# Altium PCB V5_BASE_V17.PcbDoc (part 2 of 2) (continued)
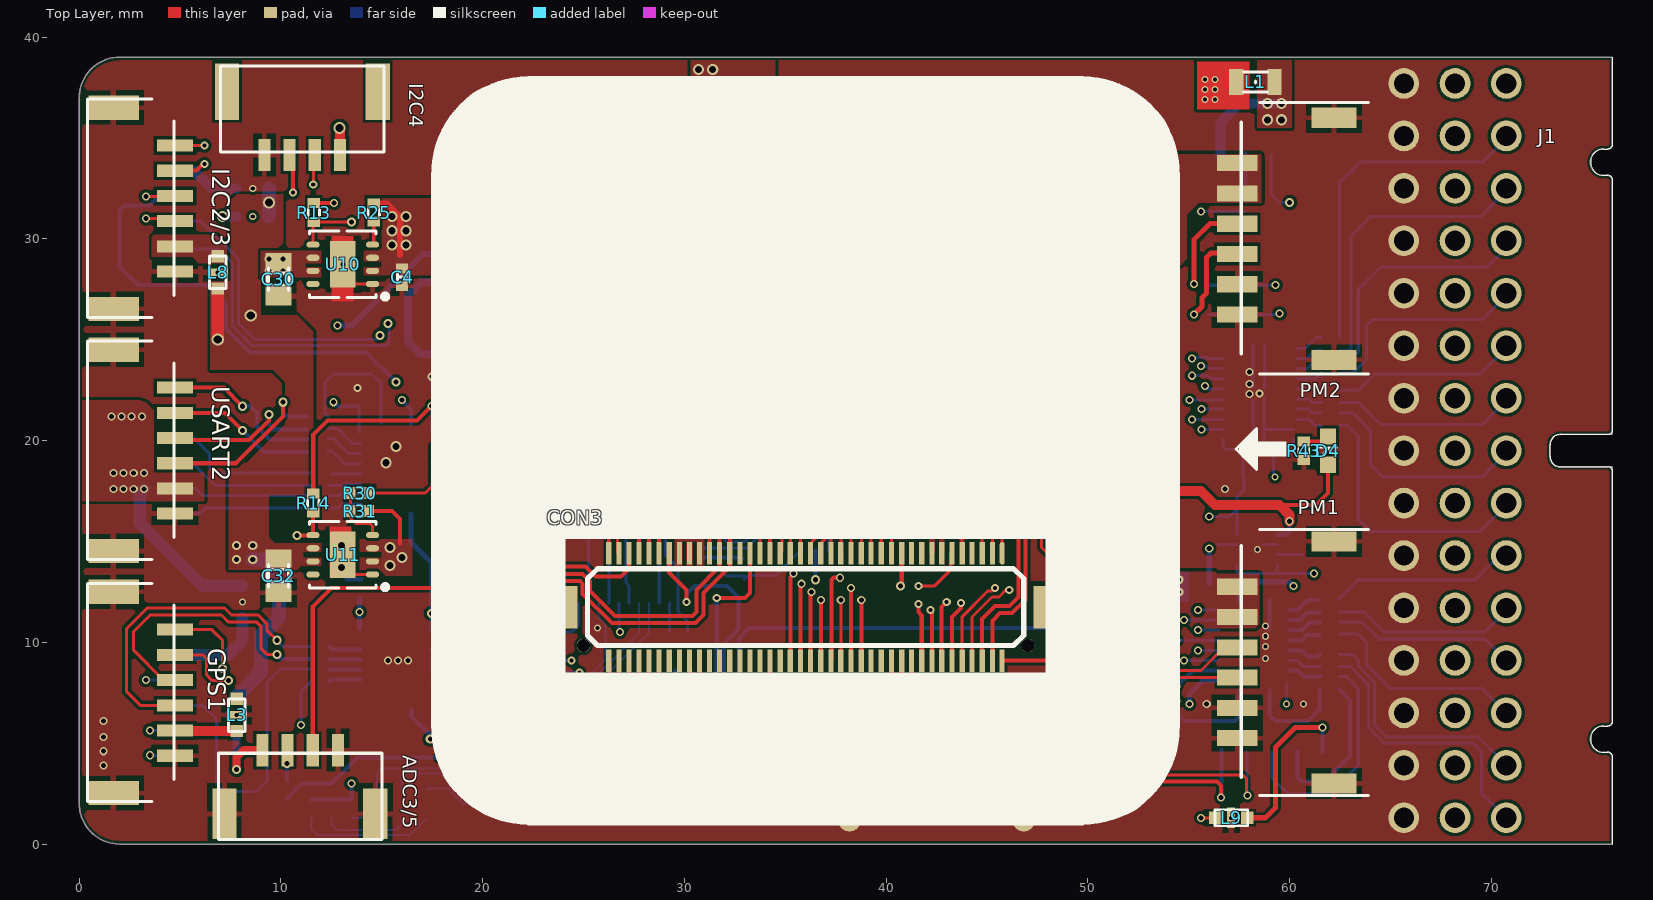
[diagram p0: Top Layer view]
## Nets (pads, with @x,y where several pads share a name; then routed paths per layer and width w, separated by ;. In a path a pad name is that pad's centre, name@x,y a point inside that pad or via, vN(x,y) a via of type N, cw(c..) or ccw(c..) an arc to the next point about the centre after c; other vN are vias at no path point) (continued)
SERVO_VS: C9.1 U2.1 U2.3 U3.16 | length 0.9
  Bottom Layer w0.15: C9.1@44.075,23.4 44.075,24.287
SPI5_CS1_EX1: CON3.48 SPI5.5 | length 8.4
  Top Layer w0.2: v6(30.3,6.7) 33.9,6.7 34.246,7.046 CON3.48@34.246,9.091
  Bottom Layer w0.2: SPI5.5@29.75,4.7 29.75,6.15 v6(30.3,6.7)
SPI5_CS2_EX1: CON3.11 SPI5.6 | length 29.3
  Top Layer w0.15: v5(41.6,12.8) 42.4,12.8 43.2,13.6 43.2,14.469 CON3.11@43.26,14.408
  Signal Layer 1 w0.15: v2(28.5,3.5) 29.575,4.575 39.035,4.575 40.435,5.975 43.075,5.975 43.925,6.825 43.925,8.535 43.035,9.425 41.335,9.425 41.025,9.735 41.025,12.225 v5(41.6,12.8)
  Bottom Layer w0.15: v2(28.5,3.5) SPI5.6@28.5,4.7
SPI5_CS3_EX1: CON3.19
TIM5_SPARE_4: CON3.56
UART4_RX: R18.1 USART4.3 | length 12.5
  Signal Layer 1 w0.15: v1(3.3,8.125) 6.275,8.125 7.1,7.3 8.5,7.3 9.9,5.9 v1(11,5.9)
  Bottom Layer w0.15: v1(3.3,8.125) USART4.3@4.75,8.125 ; USART4.3@4.787,8.087 USART4.3@4.825,8.125 ; v1(11,5.9) 11,7.575 R18.1@11.475,8.05
UART4_RX_PORT: CON3.16 U5.7 | length 29.2
  Top Layer w0.2: v6(42.2,11.6) 42.27,11.53 CON3.16@42.27,9.091
  Signal Layer 2 w0.2: v6(24.8,8.5) 25.94,8.5 28.64,11.2 32.3,11.2 32.95,11.85 34.75,11.85 35.3,11.3 41.9,11.3 v6(42.2,11.6)
  Bottom Layer w0.2: U5.7@17.45,8.15 18.45,8.15 18.8,8.5 v6(24.8,8.5)
UART4_TX: R18.2 USART4.4 | length 15.8
  Bottom Layer w0.15: USART4.4@4.75,6.875 6.125,6.875 6.8,6.2 6.8,3 7.2,2.6 8.8,2.6 9.3,3.1 9.3,8 9.975,8.675 R18.2@11.475,8.675
UART4_TX_PORT: CON3.18 U5.6 | length 28.8
  Top Layer w0.2: v6(41.6,11.9) 41.6,11.5 41.762,11.338 CON3.18@41.762,9.091
  Signal Layer 2 w0.2: v6(24.4,9.1) 26.045,9.1 28.495,11.55 31.3,11.55 ; 31.355,11.55 32.155,11.55 32.805,12.2 34.895,12.2 35.445,11.65 41.35,11.65 v6(41.6,11.9)
  Bottom Layer w0.2: U5.6@17.45,8.65 18.455,8.65 18.705,8.9 18.71,8.9 18.91,9.1 v6(24.4,9.1)
UART7_RX: DEBUG.3 R28.7 | length 11.5
  Bottom Layer w0.15: DEBUG.3@59.125,4.55 59.125,3.275 59.9,2.5 62,2.5 63.4,3.9 63.4,7.7 62.79,8.31 R28.7@62.438,8.31
UART7_RX_DEBUG: CON3.69 U19.3 | length 50.1
  Top Layer w0.2: CON3.69@28.746,14.408 28.746,15.846 29.1,16.2 v6(29.3,16.2)
  Signal Layer 2 w0.2: v6(29.3,16.2) 29.3,13.144 27.281,11.125 24.725,11.125 23.95,10.35 23.95,7.964 25.664,6.25 30.75,6.25 31.5,7 31.5,8.2 32.35,9.05 52.75,9.05 54,7.8 v1(54.4,7.8)
  Bottom Layer w0.2: v1(54.4,7.8) 55.2,8.6 U19.3@56.5,8.6
UART7_TX: DEBUG.2 R28.8 | length 8
  Bottom Layer w0.2: DEBUG.2@60.375,4.55 60.375,3.325 60.6,3.1 61.729,3.1 63,4.371 63,7.124 R28.8@62.438,7.686
UART7_TX_DEBUG: CON3.71 U19.1 | length 54.1
  Top Layer w0.2: CON3.71@28.246,14.408 28.246,16.046 v6(28.6,16.4)
  Signal Layer 2 w0.2: v6(28.6,16.4) 28.8,16.2 28.8,13.139 27.136,11.475 24.375,11.475 23.425,10.525 23.425,7.994 25.519,5.9 31.1,5.9 31.9,6.7 31.9,8 32.6,8.7 52.4,8.7 53.8,7.3 54.2,7.3 v1(54.4,7.1)
  Bottom Layer w0.2: v1(54.4,7.1) 54.4,6.5 54.8,6.1 57.3,6.1 57.5,6.3 U19.1@57.5,7.6
UART8_RX_PORT: CON3.12 R20.2 | length 23.4
  Top Layer w0.2: CON3.12@43.26,9.091 43.26,11.26 43.7,11.7 v6(43.7,11.95)
  Signal Layer 2 w0.2: v6(34.5,20) 34.625,19.875 43.525,19.875 44.1,19.3 44.1,12.6 43.7,12.2 v6(43.7,11.95)
  Bottom Layer w0.2: R20.2@31.6,20.25 31.85,20 v6(34.5,20)
UART8_TX_PORT: CON3.14 R34.2 | length 20.9
  Top Layer w0.2: CON3.14@42.752,9.091 42.752,11.752 v6(43,12)
  Signal Layer 2 w0.2: v6(35.2,19.3) 35.6,19.3 35.8,19.5 43.4,19.5 43.75,19.15 43.75,13.05 43,12.3 v6(43,12)
  Bottom Layer w0.2: R34.2@33.55,19.2 33.65,19.3 v6(35.2,19.3)
USART1_GPS1_RX: CON3.20 U5.4 | length 31.4
  Top Layer w0.2: v2(19.1,10.6) 19.4,10.6 19.895,10.105 19.895,7.915 20.96,6.85 23.555,6.85 25.655,4.75 39.545,4.75 39.945,5.15 39.95,5.15 41.254,6.454 CON3.20@41.254,9.091
  Bottom Layer w0.2: U5.4@17.45,9.65 18.47,9.65 19.1,10.28 v2(19.1,10.6)
USART1_GPS1_TX: CON3.22 U5.5 | length 31.8
  Top Layer w0.2: v6(20.3,11) 20.311,10.989 20.311,7.994 21.105,7.2 23.7,7.2 25.8,5.1 39.4,5.1 40.771,6.471 CON3.22@40.771,9.091
  Bottom Layer w0.2: U5.5@17.45,9.15 17.55,9.25 18.565,9.25 19.315,10 19.8,10 20.3,10.5 v6(20.3,11)
USART2_CTS: R15.5 USART2.5 | length 7.3
  Top Layer w0.2: USART2.5@4.75,21.375 7.225,21.375 v2(8.1,20.5)
  Bottom Layer w0.2: v2(8.1,20.5) 9.164,19.436 R15.5@11.289,19.436
USART2_CTS_PORT: CON3.44 U6.5 | length 29.3
  Top Layer w0.2: CON3.44@35.246,9.091 35.246,13.246 v1(35.4,13.4)
  Signal Layer 1 w0.2: v1(18.4,18.85) 17.25,18.85 16.8,18.4 16.8,15.885 18.635,14.05 25.654,14.05 26.334,14.05 27.866,14.05 34.545,14.05 35.195,13.4 v1(35.4,13.4)
  Bottom Layer w0.15: U6.5@17.45,18.85 v1(18.4,18.85)
USART2_RTS: R15.6 USART2.6 | length 8
  Top Layer w0.2: USART2.6@4.75,22.625 7.175,22.625 v2(8.1,21.7)
  Bottom Layer w0.2: v2(8.1,21.7) 8.5,21.7 8.8,21.4 8.8,20.7 9.439,20.061 R15.6@11.289,20.061
USART2_RTS_PORT: CON3.42 U6.4 | length 29.9
  Top Layer w0.2: CON3.42@35.746,9.091 35.746,12.846 v1(35.8,12.9)
  Signal Layer 1 w0.2: v1(18.122,19.35) 17.255,19.35 16.45,18.545 16.45,15.74 18.49,13.7 25.799,13.7 26.189,13.7 28.011,13.7 34.4,13.7 35.25,12.85 35.75,12.85 v1(35.8,12.9)
  Bottom Layer w0.15: U6.4@17.45,19.35 v1(18.122,19.35)
USART2_RX: R15.8 USART2.3 | length 8.8
  Top Layer w0.2: USART2.3@4.75,18.875 7.775,18.875 10.1,21.2 v2(10.1,21.9)
  Bottom Layer w0.2: v2(10.1,21.9) 10.1,21.4 10.314,21.186 R15.8@11.289,21.186
USART2_RX_PORT: CON3.38 U6.1 | length 33.8
  Top Layer w0.2: CON3.38@36.758,9.091 v1(36.758,12.1)
  Signal Layer 1 w0.2: v1(16,22) 16.5,21.5 16.5,19.7 15.75,18.95 15.75,15.45 18.2,13 25.799,13 34.105,13 35.055,12.05 36.708,12.05 v1(36.758,12.1)
  Bottom Layer w0.2: v1(16,22) 16.45,21.55 U6.1@16.45,20.85
USART2_TX: R15.7 USART2.4 | length 7.9
  Top Layer w0.2: USART2.4@4.75,20.125 4.85,20.025 8.425,20.025 9.4,21 v2(9.4,21.3)
  Bottom Layer w0.2: v2(9.4,21.3) 9.4,20.8 9.639,20.561 R15.7@11.289,20.561
USART2_TX_PORT: CON3.40 U6.3 | length 31.8
  Top Layer w0.2: v1@36.2,12.5 36.25,12.45 CON3.40@36.25,9.091
  Signal Layer 1 w0.2: v1(18.4,19.85) 17.26,19.85 16.1,18.69 16.1,15.595 18.345,13.35 25.944,13.35 26.044,13.35 28.156,13.35 34.25,13.35 35.15,12.45 36.25,12.45 v1(36.3,12.5)
  Bottom Layer w0.15: U6.3@17.45,19.85 v1(18.4,19.85)
USART3_CTS: R16.6 USART3.5 | length 6.8
  Bottom Layer w0.15: USART3.5@5.15,17.775 5,17.625 5.775,17.625 6.125,17.275 R16.6@11.475,17.275
USART3_CTS_PORT: CON3.32 U6.8 | length 27.6
  Top Layer w0.2: CON3.32@38.257,9.091 v1(38.257,12.7)
  Signal Layer 1 w0.2: v1(18.122,17.35) 17.95,17.178 17.95,16.22 19.07,15.1 25.219,15.1 26.769,15.1 27.431,15.1 35.09,15.1 35.59,14.6 36.662,14.6 37.462,13.8 37.805,13.8 38.257,13.348 v1(38.257,12.7)
  Bottom Layer w0.15: U6.8@17.45,17.35 v1(18.122,17.35)
USART3_RTS: R16.5 USART3.6 | length 6.6
  Bottom Layer w0.15: USART3.6@5,16.375 5.975,16.375 6.25,16.65 R16.5@11.475,16.65
USART3_RTS_PORT: CON3.30 U6.9 | length 27.2
  Top Layer w0.2: CON3.30@38.765,9.091 v1(38.765,12.1)
  Signal Layer 1 w0.2: v1(18.4,16.85) 18.575,17.025 20.475,17.025 22.05,15.45 25.074,15.45 26.914,15.45 27.286,15.45 35.235,15.45 35.735,14.95 36.807,14.95 37.557,14.2 37.9,14.2 38.765,13.335 v1(38.765,12.1)
  Bottom Layer w0.15: U6.9@17.45,16.85 v1(18.4,16.85)
USART3_RX: R16.8 USART3.3 | length 7.6
  Bottom Layer w0.15: USART3.3@5,20.125 5.675,20.125 6.45,19.35 6.45,18.65 6.7,18.4 R16.8@11.475,18.4
USART3_RX_PORT: CON3.34 U6.6 | length 29.2
  Top Layer w0.15: CON3.34@37.749,9.091 v1(37.749,12.1)
  Signal Layer 1 w0.2: v1(18.122,18.35) 17.55,18.35 17.2,18 17.2,15.98 18.78,14.4 25.509,14.4 26.479,14.4 27.721,14.4 34.8,14.4 35.3,13.9 36.372,13.9 36.975,13.297 36.975,12.874 v1(37.749,12.1)
  Bottom Layer w0.15: U6.6@17.45,18.35 v1(18.122,18.35)
USART3_TX: R16.7 USART3.4 | length 6.9
  Bottom Layer w0.15: USART3.4@5,18.875 5.625,18.875 6.725,17.775 R16.7@11.475,17.775
USART3_TX_PORT: CON3.36 U6.7 | length 29.2
  Top Layer w0.2: CON3.36@37.266,9.091 37.3,9.125 37.3,11.912 37.299,11.914 37.299,13.099 37.4,13.2 v1(37.7,13.2)
  Signal Layer 1 w0.2: v1(18.4,17.85) 17.75,17.85 17.55,17.65 17.55,16.125 18.925,14.75 25.364,14.75 26.624,14.75 ; 26.624,14.75 27.576,14.75 34.945,14.75 35.445,14.25 36.517,14.25 37.567,13.2 v1(37.7,13.2)
  Bottom Layer w0.15: U6.7@17.45,17.85 v1(18.4,17.85)
VBAT: R44.2 U13.1 | length 1
  Bottom Layer w0.2: R44.2@22.9,20.65 23.45,20.65 U13.1@23.75,20.95
VBUS: C2.2 CON3.29 R5.2 U3.19 U4.7 U4.8 USB.A4 USB.A9 USB.B4 USB.B9 | length 42.7
  Top Layer w0.15: CON3.29@38.765,14.408 38.775,14.419 38.775,17.575 41.1,19.9 v5(41.1,22.6)
  Signal Layer 2 w0.4: 35.4,30.1 35.7,29.8 35.7,28.505 37.325,26.88 37.325,23.575 37.8,23.1 40.6,23.1 v5(41.1,22.6)
  Signal Layer 2 w0.5: v3(34.4,30.1) 35.4,30.1 35.7,30.1 38.2,32.6 45.1,32.6 46.1,31.6 v3(46.4,31.6)
  Bottom Layer w0.15: U3.19@40.35,23.3 40.35,22.75 40.5,22.6 v5(41.1,22.6) ; v5(40.8,5.1) 41.25,5.55 USB.B4@41.25,6.385 41.25,6.75 41,7 USB.A9@41,7.535 ; USB.A4@44,7.535 44,7 43.75,6.75 USB.B9@43.75,6.385 43.75,5.45 44,5.2 43.8,5 43.9,4.9 v5(44.2,4.9)
  Bottom Layer w0.2: R5.2@34.4,28.875 v3(34.4,30.1)
  other v3: 46.4,30.4 46.4,31 47.1,31
  other v4: 43.7,4.9 43.7,5.6 44.2,5.6
VBUS_G: U3.13 U4.2 U4.4
VBUS_VS: C12.1 U3.14 U4.1 U4.3 | length 0.7
  Bottom Layer w0.15: C12.1@44.175,27.6 44.175,28.275
VDD_3V3_SPEKTRUM_EN: U13.2
VDD_5V_BRICK: C6.2 PM1.1 PM1.2 R2.2 U1.7 U1.8 U3.21 | length 13.3
  Top Layer w0.15: PM1.2@56.8,11.25 PM1.2@56.85,11.2
  Signal Layer 1 w0.2: v2(38.2,22.4) 39,22.4 39.5,22.9 40.2,22.9 40.6,22.5 40.6,21.8 40.8,21.6 46.3,21.6 v2(46.5,21.8)
  Bottom Layer w0.15: R2.2@36.375,22.4 v2(38.2,22.4) 39.1,22.4 39.35,22.65 U3.21@39.35,23.3
  other v2: 53.3,12.5 53.9,12.5 54.5,12.5 53.3,13.1 53.9,13.1 54.5,13.1 46.5,22.4 45.9,23.1 46.5,23.1
VDD_5V_BRICK2: PM2.1 PM2.2 R1.2 R26.2 U2.7 U2.8 U3.20 | length 35.5
  Signal Layer 1 w0.2: v2(32.7,24.2) 32.85,24.05 32.85,22.95 33.25,22.55 35.75,22.55 37.05,21.25 38.7,21.25 39.35,21.9 ; v2(39.85,22.4) 39.35,21.9 ; v2(52.6,27.2) 52.6,23.26 50.59,21.25 40.45,21.25 39.8,21.9 39.35,21.9
  Bottom Layer w0.15: v2(39.85,22.4) U3.20@39.85,23.3
  Bottom Layer w0.2: 51.9,26.3 53,25.2 R26.2@53,20.65
  Bottom Layer w0.3: v2(32.7,24.2) R1.2@33.425,24.2
  other v5: 53.2,29.2 53.9,29.2 53.2,29.7 53.9,29.7 53.2,30.2 53.9,30.2 53.2,30.7 53.9,30.7
VDD_5V_IN: C1.A C3.2 C4.2 C5.2 C22.1 C29.1 C31.1 CON3.9 CON3.61 CON3.63 CON3.65 D4.1 L1.2 R10.1 R11.1 R12.1 R25.2 R29.2 R31.2 R32.2 R33.2 TP4.0 U1.5 U1.6 U2.5 U2.6 U3.12 U4.5 U4.6 U7.1 U7.4 U7.5 U9.1 U9.4 U9.5 U10.2 U10.3 U11.2 U11.3 | length 106
  Top Layer w0.15: CON3.9@43.768,14.408 43.768,15.2
  Top Layer w0.2: R31.2@14.35,16.5 15.5,16.5 15.9,16.1 15.9,14.9 ; v3(21.2,25.7) 22.8,25.7 23.1,26 v3(23.1,28.8) ; 59.5,16.8 61.3,16.8 61.9,17.4 D4.1@61.9,18.8
  Top Layer w0.3: R25.2@14.6,31.75 15.25,31.75 15.9,31.1 15.9,29.2
  Top Layer w0.5: 43.764,15.302 43.764,18.464 44,18.7 48,18.7 48.3,18.4 v2(48.3,17.5) ; v2(49.7,17.5) 55.601,17.5 56.301,16.8 59.5,16.8 60,16.3 v1(60,16)
  Signal Layer 1 w0.15: v1(60,16) 60,14.6 v1(61.2,13.4)
  Signal Layer 1 w0.5: 16.8,29.7 21.6,29.7 22.5,28.8 v3(23.1,28.8)
  Signal Layer 2 w0.2: v1(13.5,3) 13.5,4.5 13,5 6.5,5 5.25,6.25 5.25,13.75 7.5,16 15.75,16
  Signal Layer 2 w0.3: v3(38.4,31.7) 44.1,31.7 46.1,29.7
  Bottom Layer w0.15: U9.5@57.4,13.85 57.4,13.5 57.5,13.4 59.2,13.4 ; U9.4@59.4,13.85 59.4,13.6 59.2,13.4 ; v1(61.2,13.4) 59.2,13.4
  Bottom Layer w0.2: R29.2@11.5,2.2 R33.2@12.5,2.2 R32.2@13.5,2.2 v1(13.5,3) ; U7.5@19.568,27.05 19.568,26.032 19.9,25.7 v3(21.2,25.7) 21.568,26.068 U7.4@21.568,27.05 ; R10.1@36.4,30.875 R11.1@37.4,30.875 R12.1@38.4,30.875 ; v3(38.4,31.7) R12.1@38.4,30.875 ; C5.2@40.225,30.2 40.225,30.575 39.925,30.875 R12.1@38.4,30.875 ; U3.12@40.35,27.1 C5.2@40.35,30.075
  Bottom Layer w0.25: U9.1@59.4,15.35 59.85,15.35 60,15.5 v1(60,16)
  Bottom Layer w0.3: U7.1@21.568,28.55 C22.1@22.775,28.55
  other v2: 48.3,16.9 49,16.9 49.7,16.9 49,17.5
  other v3: 15.4,13.8 16,14.2 15.4,14.7 48.1,23.7 46.5,24.4 47.3,24.4 48.1,24.4 46.5,25.1 47.3,25.1 48.1,25.1 46.5,28.4 47.2,28.4 48,28.4 48.7,28.4 46.5,29.2 47.2,29.2 48,29.2 48.7,29.2 15.5,29.7 16.2,29.7 15.5,30.4 16.2,30.4 15.5,31.1 16.2,31.1 30.7,37.7 31.4,37.7 30.7,38.4 31.4,38.4
  other v4: 55.8,36.9 56.3,36.9 55.8,37.4 56.3,37.4 55.8,37.9 56.3,37.9
VDD_G: U1.2 U1.4 U3.17
VDD_SERVO_SENS: R40.2 R41.2 U13.14 | length 2.7
  Bottom Layer w0.15: U13.14@31,18.7 32.225,18.7 R40.2@32.625,18.3 R41.2@32.625,17.4
VDD_VS: C7.1 U1.1 U1.3 U3.18
pads on no net: CON3.hole-1 CON3.hole-2 I2C4.0 PM1.0 PM2.0 SAFE.6 U3.11 U3.22 U3.23 U5.1 U5.3 U5.8 U5.9 U5.12 U5.13 U5.18 U5.20 U7.6 U9.6 U10.8 U11.8 USB.A2 USB.A3 USB.A5 USB.A8 USB.A10 USB.A11 USB.B2 USB.B3 USB.B5 USB.B8 USB.B10 USB.B11

## Polygon pours and split planes (outlines as drawn)
VDD_5V_IN on Bottom Layer "Bottom Layer-VDD_5V_IN" (solid, pour order 232): 47,25.488 47.012,25.5 48.5,25.5 48.5,20.8 48.3,20.6 47,20.6 47,23.6 46.7,23.6 46.7,25.4 46.6,25.5
VDD_5V_IN on Bottom Layer "Top Layer-No Net" (solid, remove dead copper, pour order 22): 45,25.5 45,25.025 45.875,25.025 45.875,24.725 45,24.725 45,24 45.8,24 45.8,23.6 47,23.6 47,25.5 45.3,25.5
VDD_5V_IN on Bottom Layer "Bottom Layer-VDD_5V_IN 1" (solid, pour order 230): 46.15,21.2 49.8,21.2 50.2,20.8 50.2,16.6 46.4,16.6 46.15,16.85
VDD_5V_BRICK2 on Bottom Layer "Bottom Layer-VDD_5V_BRICK2" (solid, pour order 224): 52.6,31 54.2,31 54.4,30.8 54.4,28.6 51.45,25.65 45,25.65 45,26.025 45.875,26.025 45.875,27.275 46.1,27.5 51,27.5 52.6,29.1
VBUS on Bottom Layer "Bottom Layer-VBUS" (solid, pour order 222): 43.8,8.2 44.2,8.2 44.2,7 44,6.8 44,5.9 44.5,5.9 44.5,4.4 44.2,4.1 40.3,4.1 40.2,4.2 40.2,5.7 40.4,5.9 40.9,5.9 40.9,7.1 40.8,7.2 40.8,8.2 41.2,8.2 41.2,7 41.5,6.7 41.5,5.2 41.8,4.9 43.2,4.9 43.4,5.1 43.4,6.8 43.8,7.2
IO2_3V3 on Bottom Layer "NONET_L-01_P-001" (solid, remove dead copper, pour order 74): 55.5,15.3 55.5,13.9 56.6,13.9 56.6,14.4 56.8,14.6 57.8,14.6 57.8,15.2 56.9,15.2 56.6,15.5 55.5,15.5
IO1_3V3 on Bottom Layer "NONET_L-01_P-001" (solid, remove dead copper, pour order 72): 55.5,15.5 56.6,15.5 56.8,15.3 56.9,15.2 57.8,15.2 57.8,17 57.7,17.1 55.5,17.1
VDD_5V_BRICK on Bottom Layer "Top Layer-No Net" (solid, remove dead copper, pour order 38): 45,22.875 45,22.025 45.875,22.025 45.875,21.725 45,21.725 45,21.4 46.6,21.4 47,21.8 47,22.9 47,23.4 45.6,23.4 45.6,22.9 45,22.9
VDD_5V_IN on Bottom Layer "Top Layer-No Net" (solid, remove dead copper, pour order 36): 45,21.2 45,20.725 45.875,20.725 45.875,20.425 45,20.425 45,19.7 45.8,19.7 45.8,19.3 47,19.3 47,21.2 45.3,21.2
VBUS on Bottom Layer "Top Layer-No Net" (solid, remove dead copper, pour order 34): 45,31.375 45,30.6 45.9,30.6 45.9,30.4 45,30.4 45,29.9 47.4,29.9 47.4,31.4 47.4,31.9 45.6,31.9 45.6,31.4 45,31.4
VDD_5V_IN on Bottom Layer "Top Layer-No Net" (solid, remove dead copper, pour order 32): 45,29.8 45,29.325 45.875,29.325 45.875,29.025 45,29.025 45,28.3 45.8,28.3 45.8,27.9 47,27.9 47,29.8 45.3,29.8
VDD_5V_BRICK2 on Bottom Layer "Top Layer-No Net" (solid, remove dead copper, pour order 18): 45,27.175 45,26.325 45.875,26.325 45.875,26.025 45,26.025 45,25.65 47,25.65 47,27.2 47,27.7 45.6,27.7 45.6,27.2 45,27.2
VDD_VS on Bottom Layer "Top Layer-No Net" (solid, remove dead copper, pour order 14): 40.6,24.3 40.6,23.7 40.7,23.6 41.2,23.6 41.3,23.6 42.3,22.6 42.3,19.9 44.1,19.9 44.1,20.6 43.2,20.6 43.2,21.2 44.1,21.2 44.1,21.8 44,21.9 43,21.9 43,23 41.7,24.3
VDD_G on Bottom Layer "Top Layer-No Net" (solid, remove dead copper, pour order 10): 40.6,24.8 40.6,24.3 41.7,24.3 42.5,23.5 43,23 43,21.9 44,21.9 44.1,21.8 44.1,21.2 43.2,21.2 43.2,20.6 44.7,20.6 44.8,20.7 44.9,20.8 44.9,22.7 44.9,22.8 44.7,23 44.6,23.1 43.7,23.1 43.7,24.2 43.6,24.3 42.733,24.3 42.7,24.3 42.2,24.8
SERVO_VS on Bottom Layer "Top Layer-No Net" (solid, remove dead copper, pour order 8): 40.6,25.225 40.6,24.8 41.4,24.8 42.2,24.8 42.7,24.3 44.8,24.3 44.8,26 44.6,26.2 44.579,26.179 43.034,26.179 43.034,25.566 43.1,25.5 43.9,25.5 43.9,24.9 43.1,24.9 42.8,25.2
SERVO_G on Bottom Layer "Top Layer-No Net" (solid, remove dead copper, pour order 6): 40.6,25.8 40.6,25.2 42.5,25.2 42.8,25.2 43.1,24.9 43.9,24.9 43.9,25.5 43.1,25.5 43.1,26.1 44,26.1 44,27.1 43.9,27.2 42.1,27.2 42.1,26 42,25.9 41.9,25.8
VBUS_VS on Bottom Layer "Top Layer-No Net" (solid, remove dead copper, pour order 2): 43.8,30.7 43.1,30.7 43.1,29.8 43.8,29.8 43.8,29.3 41.4,29.3 41.4,26.325 40.6,26.325 40.6,25.8 41.9,25.8 42,25.9 42.1,26 42.1,28.1 44.6,28.1 44.8,28.1 44.8,28.8 44.8,30.7
VBUS_G on Bottom Layer "Top Layer-No Net" (solid, remove dead copper, pour order 0): 41.4,26.2 40.6,26.2 40.6,31.6 40.8,31.8 40.9,31.9 43.8,31.9 43.8,30.6 43.1,30.6 43.1,29.7 43.8,29.7 43.8,29.2 41.4,29.2
5V_OUT1 on Bottom Layer "NONET_L-01_P-001" (solid, remove dead copper, pour order 114): 0.141,21.9 5.841,21.9 5.841,20.8 3.641,20.8 3.541,20.7 3.541,17.1 0.141,17.1
GND on Bottom Layer "NONET_L-01_P-001" (solid, remove dead copper, pour order 282): 0,0.25 0.5,-0.25 76.25,-0.25 76.25,38.75 76,39 -0.25,39
VDD_5V_IN on Top Layer "Top Layer-VDD_5V_IN" (solid, pour order 256): 31,13.8 31,19.7 29.775,20.925 29.775,32.375 32.1,34.7 32.1,36.6 32.6,37.1 34.5,37.1 34.5,39 30.3,39 30.3,35.5 28,33.2 28,19.5 28,17.971 28.8,17.4 29.5,16.9 29.5,13.8 29.9,13.8 29.9,15 30.1,15 30.1,13.8 30.4,13.8 30.4,15 30.6,15 30.6,13.8
5V_OUT2 on Top Layer "Top Layer-5V_OUT2 1" (solid, pour order 240): 7.4,13.6 7.4,18.475 7.8,18.875 8.27,18.875 10.2,20.805 10.2,22.9 9.6,23.5 6.5,23.5 6.5,25.5 7.2,26.2 10.8,26.2 11.6,25.4 11.6,17.7 11.2,17.3 9.4,17.3 9.4,13.9 9.1,13.6
VDD_5V_IN on Top Layer "Top Layer-VDD_5V_IN 1" (solid, pour order 244): 13.9,15.1 13.9,14.5 15,14.5 15,14.2 13.9,14.2 13.9,13.6 14.9,13.6 15.2,13.3 16.5,13.3 16.5,15.1
VDD_5V_IN on Top Layer "Top Layer-VDD_5V_IN 2" (solid, pour order 242): 14.1,28.6 14.1,28.2 17.4,28.2 17.5,28.3 17.5,32 15,32 15,29.5 14.1,29.5 14.1,28.9 15,28.9 15,28.6
5V_OUT2 on Top Layer "Top Layer-5V_OUT2 2" (solid, pour order 238): 10.1,32.2 10.1,29.8 9.7,29.4 9,29.4 9,26.2 7.5,24.7 6.5,24.7 6.5,27.9 7.5,27.9 7.5,31.9 7.8,32.2
5V_OUT2 on Top Layer "Top Layer-5V_OUT2" (solid, pour order 236): 12,14.9 12,14.5 11.1,14.5 11.1,14.2 12,14.2 12,13.8 11,13.8 10.8,13.6 7.4,13.6 7.4,14.2 7.4,14.6 7.4,15.3 9.3,15.3 9.7,14.9
5V_OUT1 on Top Layer "Top Layer-5V_OUT1" (solid, pour order 234): 12,28.8 11.2,28.8 11.2,28.6 12,28.6 12,28.1 9,28.1 9,29.4 12,29.4
VDD_5V_BRICK on Top Layer "Top Layer-VDD_5V_BRICK" (solid, pour order 226): 58.5,10.9 58.3,10.7 53.1,10.7 52.6,11.2 52.6,13.5 56.3,13.5 56.4,13.4 58.5,13.4
VDD_5V_BRICK2 on Top Layer "Top Layer-VDD_5V_BRICK2" (solid, pour order 220): 58.7,34.2 58.6,34.1 58.6,31.8 55.5,31.8 54.9,31.2 54.9,29 54.6,28.7 52.6,28.7 52.6,33.2 53.6,34.2
VDD_5V_BRICK2 on Top Layer "Top Layer-VDD_5V_BRICK2 1" (solid, pour order 218): 58.2,33.3
I2C2_VCC on Top Layer "NONET_L-01_P-001" (solid, remove dead copper, pour order 118): 3.6,30 3.6,29.1 5.6,29.1 5.7,29 5.9,28.8 7.3,28.8 7.3,29.6 7.3,29.7 6.8,30.2 6.3,30.2 3.7,30.2 3.6,30.1
RC_VCC on Top Layer "NONET_L-01_P-001" (solid, remove dead copper, pour order 82): 58.4,35.5 60.1,35.5 60.1,39 58.4,39
5V_OUT1 on Top Layer "NONET_L-01_P-001" (solid, remove dead copper, pour order 112): 6.2,18.4 6.2,17 0,17 0,22 3,22 3.3,21.9 3.7,21.5 3.7,18.4
GND on Top Layer "NONET_L-01_P-001" (solid, remove dead copper, pour order 278): 0,0.25 0.5,-0.25 76.25,-0.25 76.25,38.75 76,39 -0.25,39
VDD_5V_IN on Signal Layer 1 "Signal Layer 1-VDD_5V_IN 1" (solid, pour order 274): 56.8,39 56.8,36.6 48.1,36.6 48,36.7 48,39
VDD_5V_IN on Signal Layer 1 "Signal Layer 1-VDD_5V_IN" (solid, pour order 248): 14.5,29.15 14.55,29.2 17.1,29.2 17.1,35.9 18.3,37.1 43.8,37.1 45.1,35.8 45.1,26.5 49.6,26.5 49.7,26.6 49.7,32 48.4,33.3 48.4,39 13.9,39 13.875,38.975 13.875,30.825 14.5,30.2
5V_OUT1 on Signal Layer 1 "NONET_L-01_P-001" (solid, remove dead copper, pour order 100): 3.5,17.3 1.2,17.3 1.2,25.7 1.2,26.8 1.2,27.9 6,27.9 6.3,27.9 7.3,28.9 7.6,29.2 7.6,29.5 10.9,29.5 10.9,28.1 10.2,28.1 9.6,28.1 7.8,26.3 7.2,25.7 7,25.6 4.6,25.6 3.5,24.5
GND on Signal Layer 1 "NONET_L-01_P-001" (solid, remove dead copper, pour order 276): 0,0.25 0.5,-0.25 76.25,-0.25 76.25,38.75 76,39 -0.25,39
VBUS on Signal Layer 2 "Signal Layer 2-VBUS" (solid, pour order 272): 43,6 43,4.2 47.4,4.2 49.059,2.541 59.6,2.601 59.6,15.9 51.6,23.9 51.6,31.5 50.9,32.2 45.8,32.2 45.8,30.433 46.17,30.062 48.938,30.062 49.1,29.9 49.1,21.9 56.4,14.6 56.4,5.7 55.9,5.2 54.9,5.2 54.1,6
VBUS on Signal Layer 2 "Signal Layer 2-VBUS 1" (solid, pour order 266): 45.8,31.9 45.8,29.9 47.2,29.9 47.6,30.3 47.6,31.7 47.4,31.9
VDD_5V_BRICK2 on Signal Layer 2 "Signal Layer 2-VDD_5V_BRICK2" (solid, pour order 268): 52.8,31 52.8,28.9 54.3,28.9 54.4,29 54.4,31
VDD_5V_BRICK on Signal Layer 2 "Signal Layer 2-VDD_5V_BRICK" (solid, pour order 228): 47.4,23.6 55.2,15.8 55.2,12.1 55,11.9 52.7,11.9 52.7,15.2 49.355,18.545 47.75,18.545 46.595,19.7 45.5,20.795 45.5,23.6
RC_VCC on Signal Layer 2 "Signal Layer 2-RC_VCC" (solid, pour order 254): 69.6,39 69.6,35.7 60.6,35.7 60.2,35.3 58.4,35.3 58.4,39
VDD_5V_IN on Signal Layer 2 "Signal Layer 2-VDD_5V_IN 1" (solid, pour order 250): 14.9,13.4 17.1,13.4 17.1,15.778 17.3,15.978 17.3,31.9 16.8,32.4 14.9,32.4
VDD_5V_IN on Signal Layer 2 "Signal Layer 2-VDD_5V_IN 2" (solid, pour order 246): 45.8,29.9 49.1,29.9 49.1,29.2 49.1,23 48,23 47.4,23.6 45.8,23.6
GND on Signal Layer 2 "NONET_L-01_P-001" (solid, remove dead copper, pour order 280): 0,0.25 0.5,-0.25 76.25,-0.25 76.25,38.75 76,39 -0.25,39

## Keep-outs
Keep-Out Layer:
  lines w0.013: 0,2 ccw(c2,2) 2,0 76,0 76,4.3 ccw(c75.75,4.3) 75.75,4.55 75.55,4.55 cw(c75.55,5.2) 75.55,5.85 75.75,5.85 ccw(c75.75,6.1) 76,6.1 76,18.45 ccw(c75.75,18.45) 75.75,18.7 73.4,18.7 cw(c73.4,19.2) 72.9,19.2 72.9,19.8 cw(c73.4,19.8) 73.4,20.3 75.75,20.3 ccw(c75.75,20.55) 76,20.55 76,32.9 ccw(c75.75,32.9) 75.75,33.15 75.55,33.15 cw(c75.55,33.8) 75.55,34.45 75.75,34.45 ccw(c75.75,34.7) 76,34.7 76,39 2,39 ccw(c2,37) 0,37 0,2

## Other copper
Top Layer:
  rectangle net GND: 12.4,13.2 13.5,15.74
  rectangle net GND: 12.5,26.9 13.6,30.14
  rectangle net VDD_5V_IN: 55.4,36.4 58,38.8
Bottom Layer:
  region net VDD_5V_BRICK: 55,13.5 55,12 52.9,12 52.9,13.5
  region: 7,12.6
  region net VDD_5V_IN: 47,27.9 50.9,27.9 50.9,29.9 48.1,29.9 48,29.8 47,29.8

## Silkscreen, mask and mechanical layers (free items; w line width, h text height)
Top Overlay:
  rectangle: 23.7,15.111 50.4,31.6
  rectangle: 57.971,19.203 59.854,19.965
  rectangle: 22.7,4.861 49.4,8.5
  region: 17.5,33.6 cw(c22.163,33.269) 19.1,36.8 cw(c22.123,33.598) 22.25,38 cw(c22.545,36.92) 22.937,37.969 cw(c23.548,35.313) 24,38 cw(c21.763,37.271) 24.1,37 24.1,1 21.9,1 cw(c21.999,4.859) 19.2,2.2 cw(c20.481,4.569) 17.9,3.8 17.5,5.2
  region: 54.5,5.4 cw(c49.837,5.731) 52.9,2.2 cw(c49.877,5.402) 49.75,1 cw(c49.455,2.08) 49.063,1.031 cw(c48.452,3.687) 48,1 cw(c50.237,1.729) 47.9,2 47.9,38 50.1,38 cw(c50.001,34.141) 52.8,36.8 cw(c51.519,34.431) 54.1,35.2 54.5,33.8
  region: 21.9,1 cw(c22.231,5.663) 18.7,2.6 cw(c21.902,5.623) 17.5,5.75 cw(c18.58,6.045) 17.531,6.437 cw(c20.187,7.048) 17.5,7.5 cw(c18.229,5.263) 18.5,7.6 54.5,7.6 54.5,5.4 cw(c50.641,5.499) 53.3,2.7 cw(c50.931,3.981) 51.7,1.4 50.3,1
  region: 50.1,38 cw(c49.769,33.337) 53.3,36.4 cw(c50.098,33.377) 54.5,33.25 cw(c53.42,32.955) 54.469,32.563 cw(c51.813,31.952) 54.5,31.5 cw(c53.771,33.737) 53.5,31.4 17.5,31.4 17.5,33.6 cw(c21.359,33.501) 18.7,36.3 cw(c21.069,35.019) 20.3,37.6 21.7,38
  lines w0.1: 17.5,5.75 ccw(c22.25,5.75) 22.25,1 ; 17.5,33.25 cw(c22.25,33.25) 22.25,38 ; 49.75,1 ccw(c49.75,5.75) 54.5,5.75 ; 49.75,38 cw(c49.75,33.25) 54.5,33.25
  lines w0.15: 17.5,5.75 17.5,33.25 ; 22.25,1 49.75,1 ; 22.25,38 49.75,38 ; 54.5,5.75 54.5,33.25 ; 57.568,19.349 57.568,19.812 ; 57.695,19.222 57.695,19.939 ; 57.844,19.095 57.844,20.085 ; 57.971,18.968 57.971,20.212 ; 58.098,18.841 58.098,20.343 ; 58.225,18.714 58.225,20.343 ; 57.336,19.581 58.352,20.597 58.352,18.565 57.336,19.581
Bottom Overlay:
  lines w0.15: 54.1,27.1 56.5,27.1 ; 55.475,27 59.475,27 59.8,27.325 59.8,28.125 ; 57.5,28.825 58.7,28.825 ; 58.95,27.775 58.6,28.125 ; 58.95,28.475 58.6,28.125 ; 60.4,28.825 61.6,28.825 ; 60.65,27.775 61,28.125 ; 60.65,28.475 61,28.125 ; 54.1,26.9 54.1,28.4 56.5,28.4 56.5,26.9 ; 54.1,26.9 56.5,26.9 ; 54.1,26.9 56.5,26.9 ; 54.1,26.9 54.1,25.6 56.5,25.6 56.5,26.9 ; 58.6,28.125 59.8,28.125 ; 59.8,28.125 61,28.125
  text "ADC" at 59.4,29.1 h1.5
  text "I2C" at 61.9,29.1 h1.5